# Altium PCB WunderBar_v102b _flip.PcbDoc (part 1 of 7)
Units mil, origin at the board's own origin, x right, y up, seen from the top; angles counter-clockwise.
Board outline 4556.01 x 1552 mil, 4 copper layers (Top, Route2, Route15, Bottom), stack 52.756 mil thick; 380 components, 258 nets, 1391 pads, 528 vias.
Unrouted connection lines stored in the file: 8.
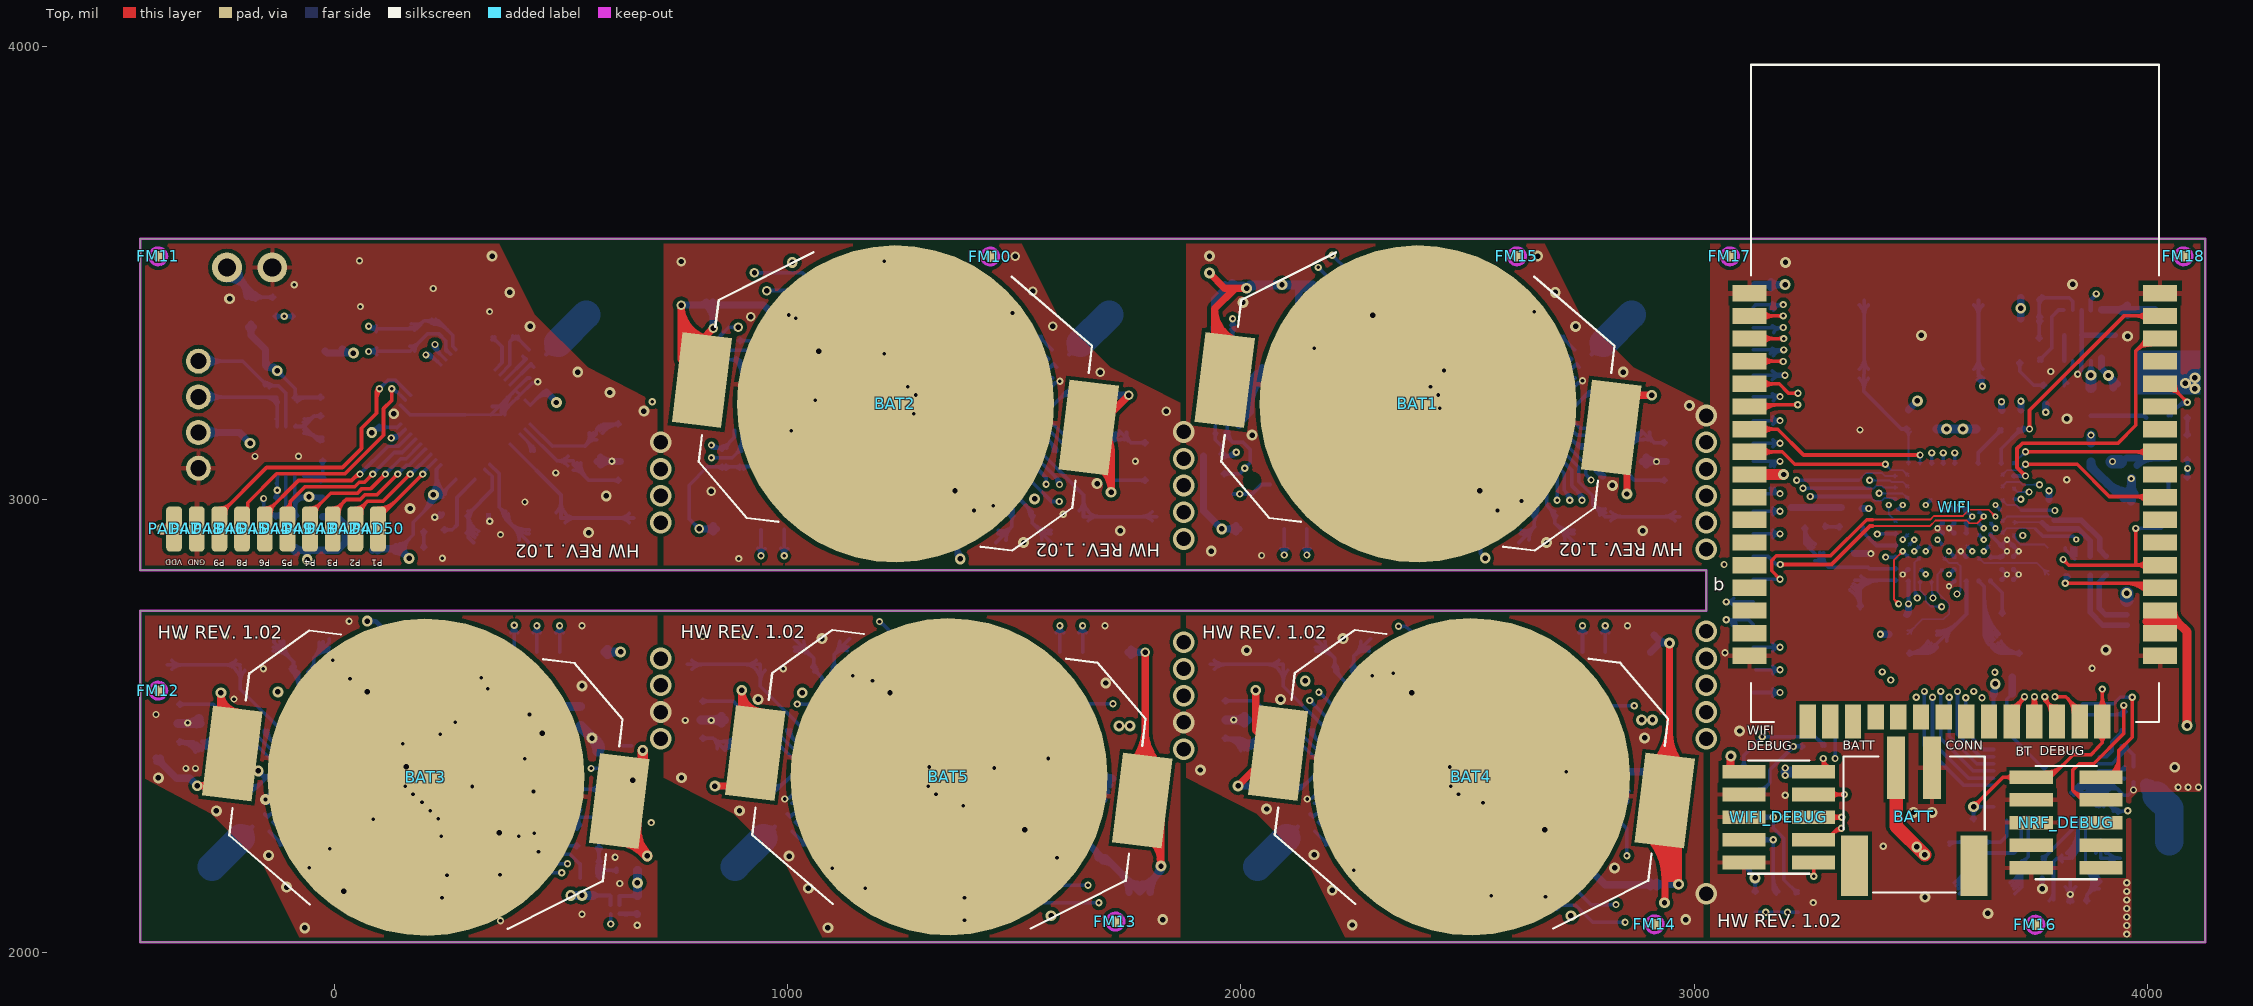
[diagram p0: Top view]
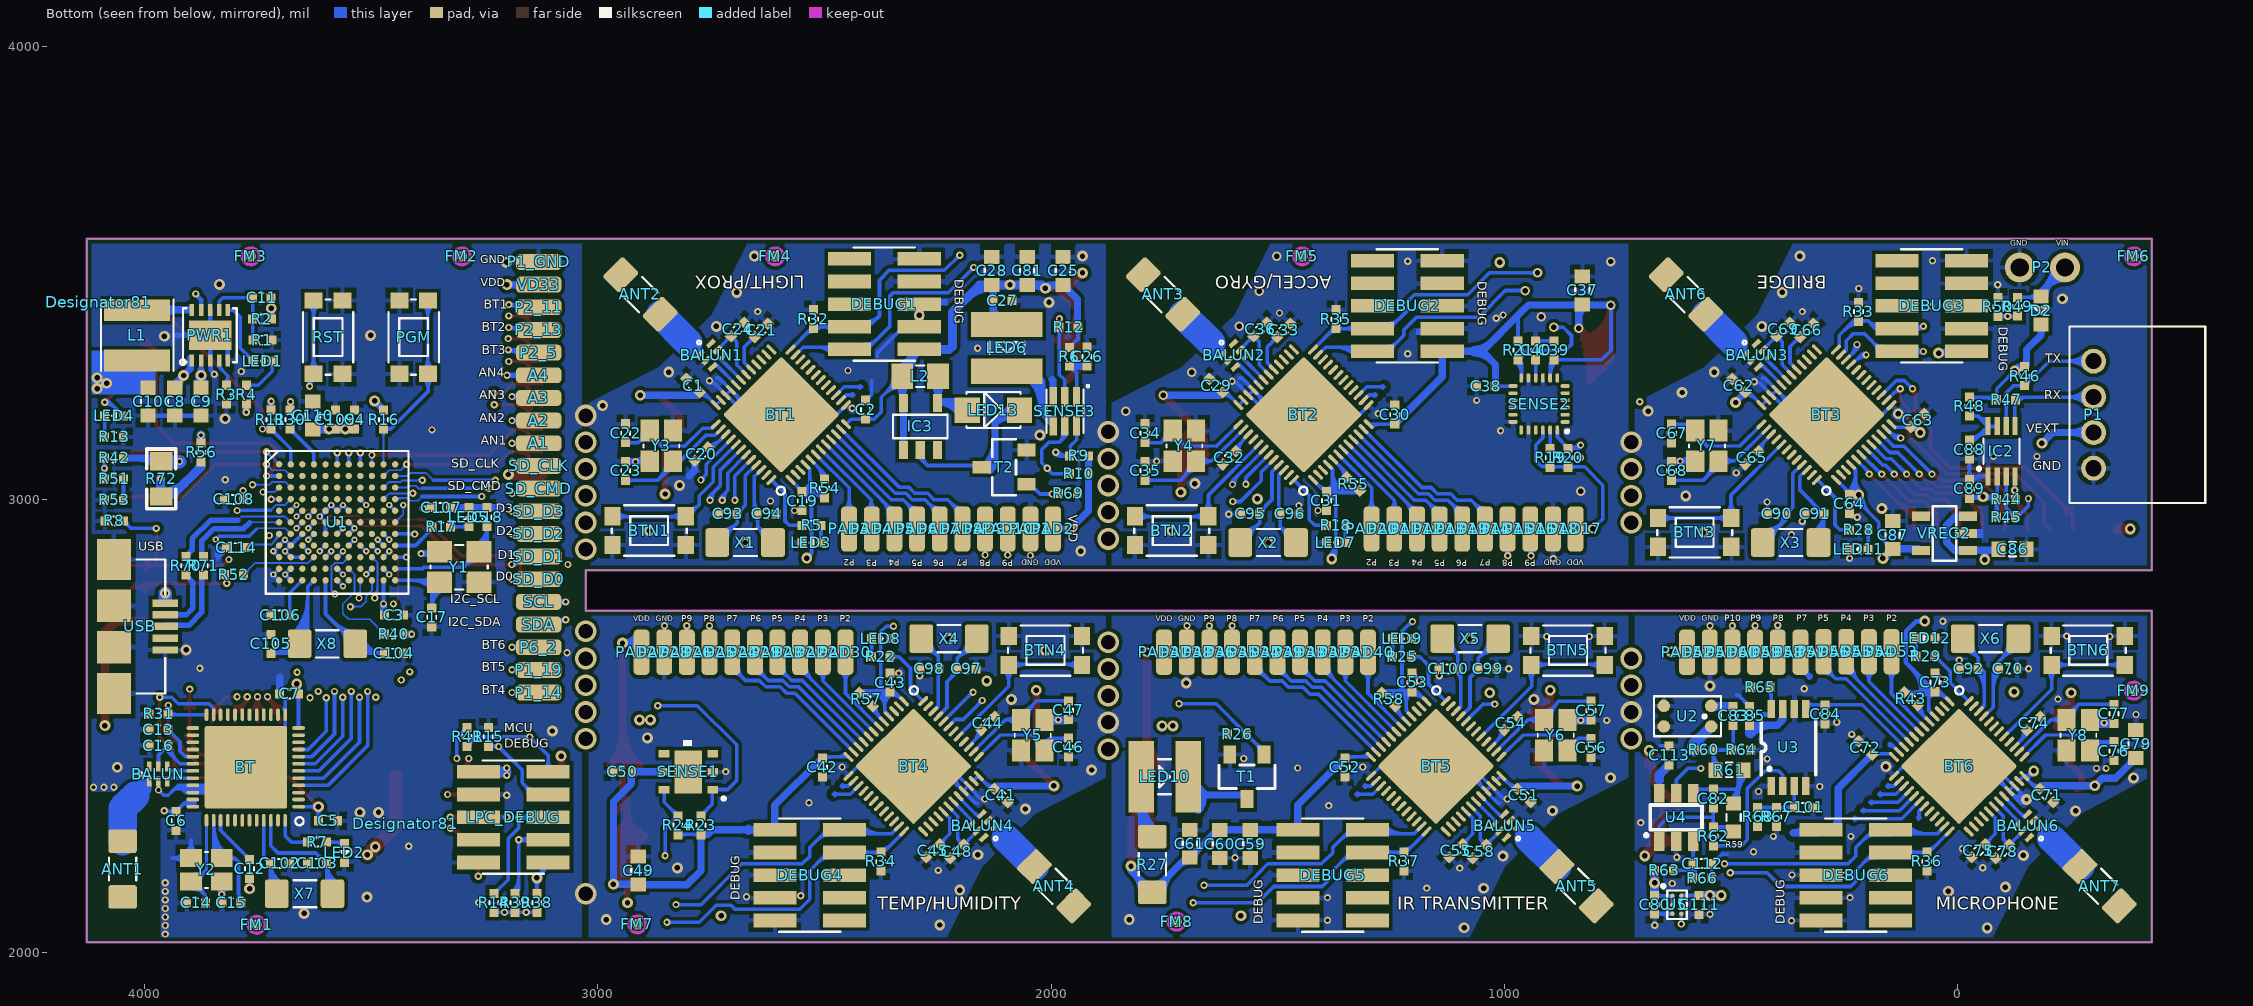
[diagram p1: Bottom view, seen from below]
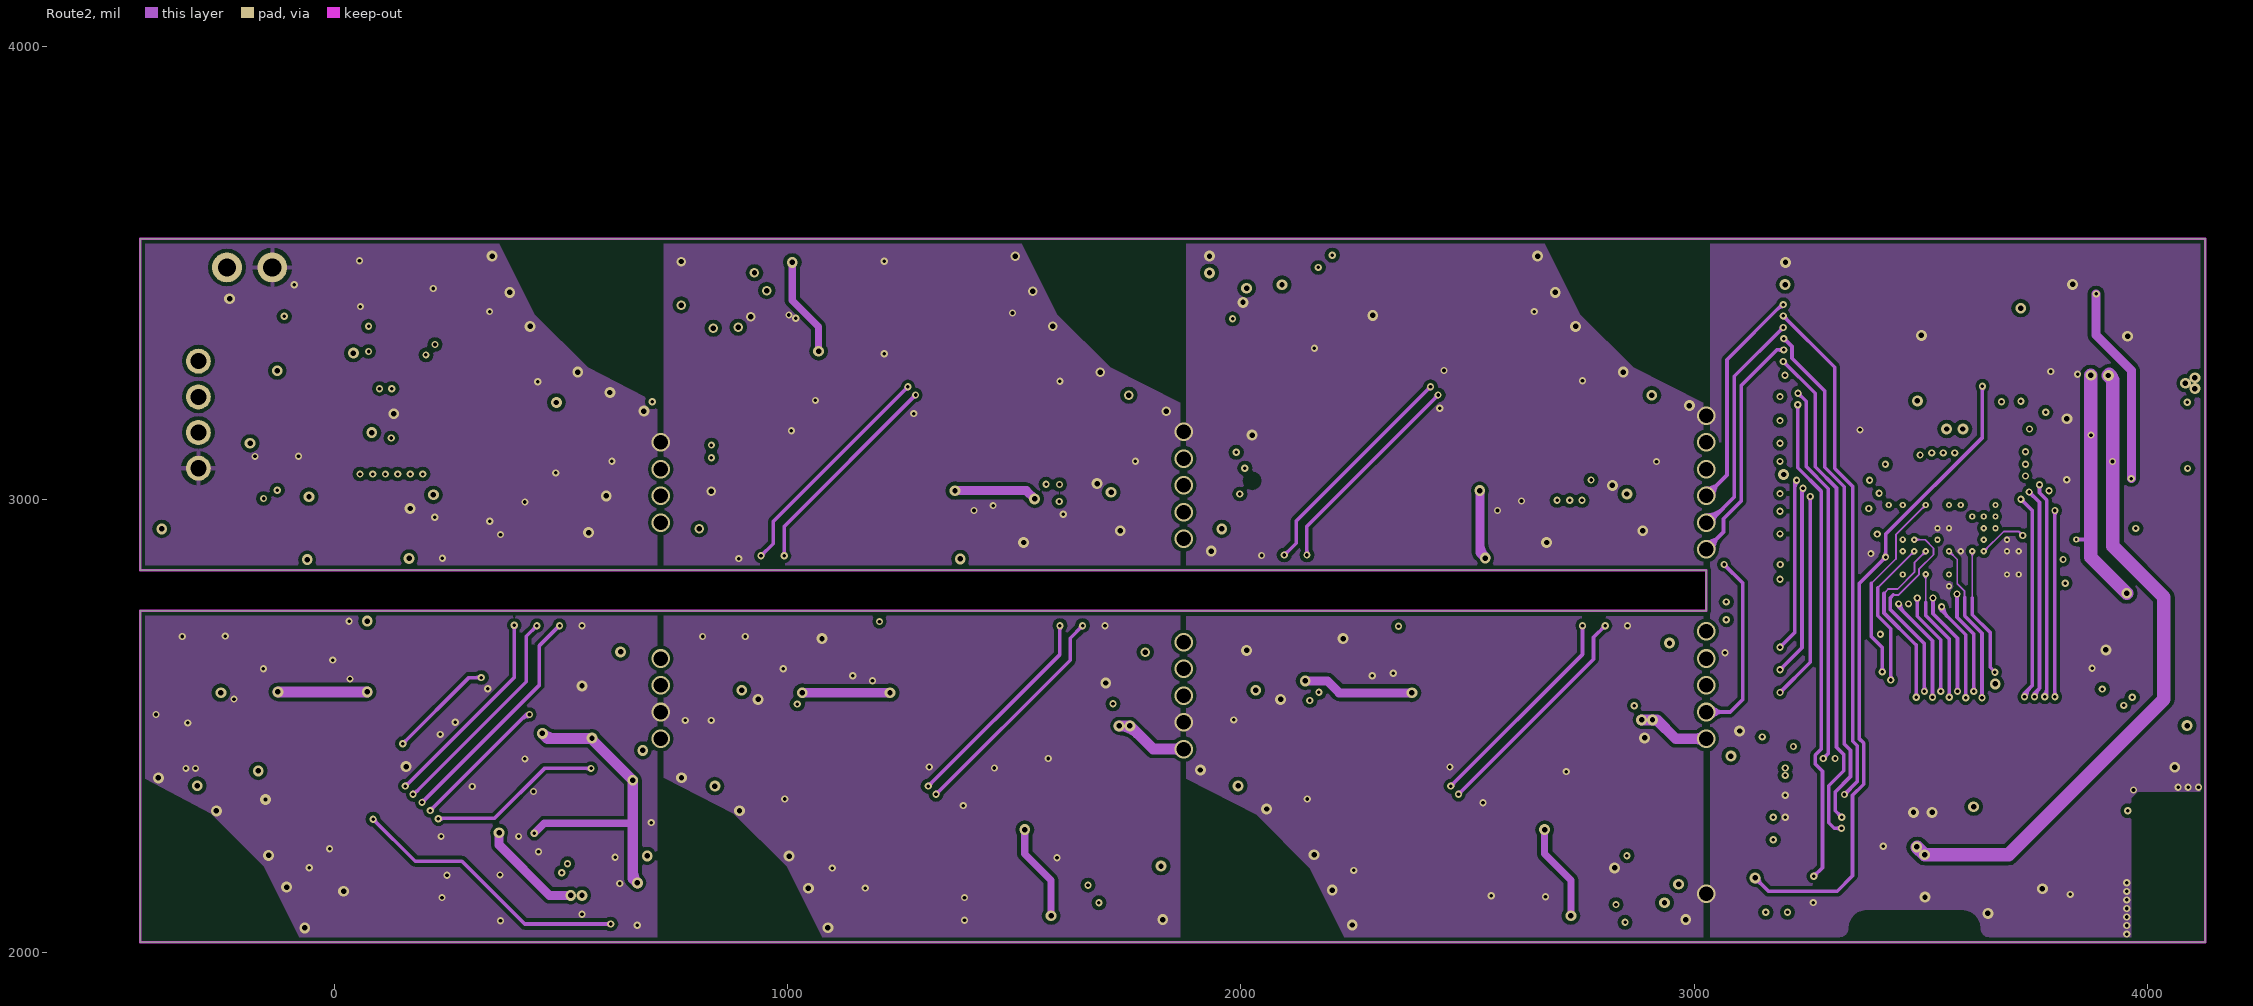
[diagram p2: Route2]
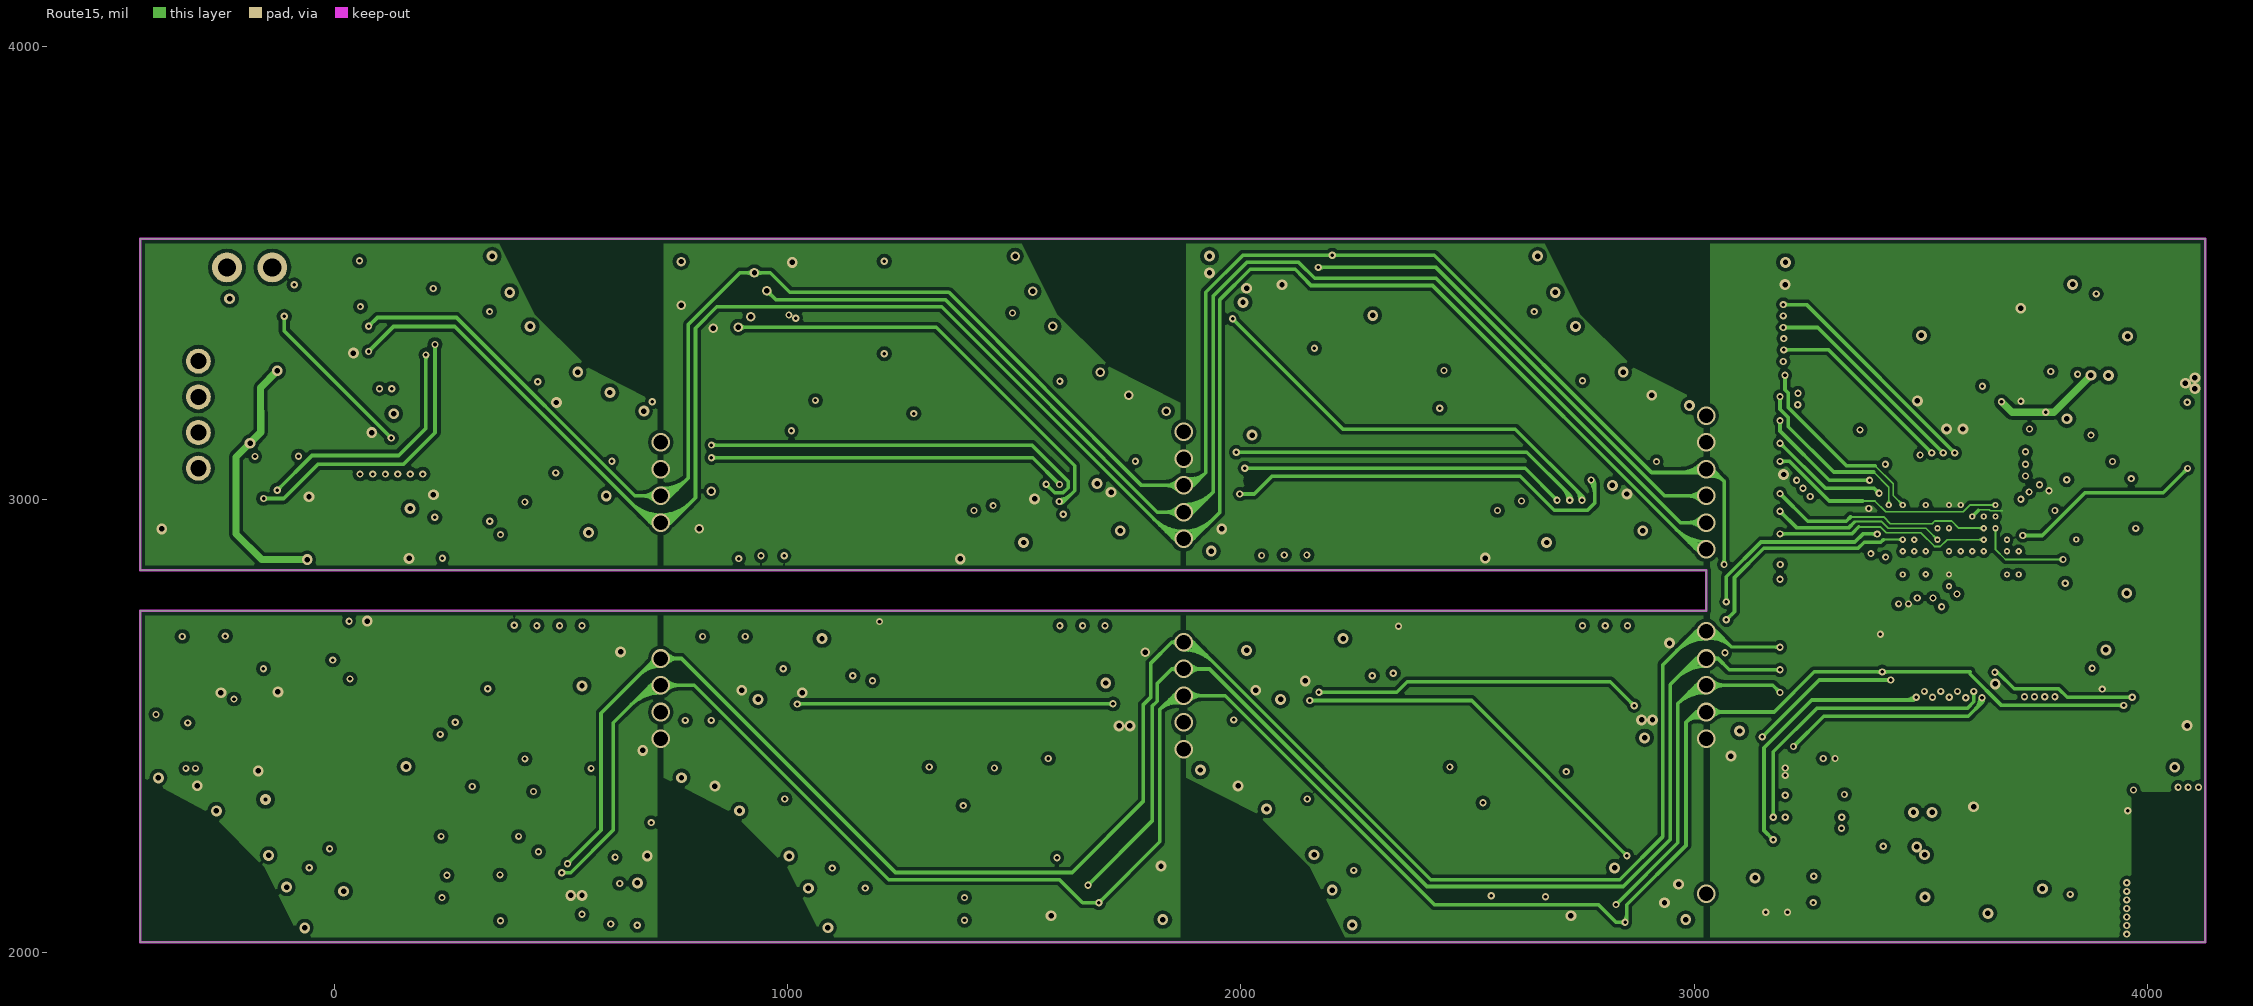
[diagram p3: Route15]

## Layer stack, top to bottom
Top Solder: solder mask 0.4, Solder Resist, Dk 3.5
Top: signal copper 1.378
Dielectric1: core 15.748, FR-4, Dk 4.8
Route2: signal copper 1.378
Dielectric2: prepreg 15.748, FR-4, Dk 4.8
Route15: signal copper 1.378
Dielectric3: core 15.748, FR-4, Dk 4.8
Bottom: signal copper 1.378
Bottom Solder: solder mask 0.4, Solder Resist, Dk 3.5

## Board outline
4127.52,2023.48 4127.52,3575.48 -428.47,3575.48 -428.49,3575.47 -428.49,2843.99 -428.48,2843.98 3026.52,2843.98 3026.52,2755.01 -428.48,2755.01 -428.48,2023.48

## Design rules (kind name [scope] priority, off if disabled: settings)
Clearance TrackPad_chipROOM [IsTrack vs IsPad] p1: gap=3.5
Clearance vIAPad_chipROOM [IsVia vs IsPad] p2: gap=4
Clearance mdViaVia [IsVia vs IsVia] p3: gap=5.91
Clearance mdPadVia [IsPad vs IsVia] p4: gap=5.91
Clearance mdPadPad [IsPad vs IsPad] p5: gap=5.91
Clearance mdWireVia [(InLayerClass('Signal Layers') AND IsTrack) vs IsVia] p6: gap=5.91
Clearance mdWirePad [(InLayerClass('Signal Layers') AND IsTrack) vs IsPad] p7: gap=5.91
Clearance mdWireWire [(InLayerClass('Signal Layers') AND IsTrack) vs (InLayerClass('Signal Layers') AND IsTrack)] p8: gap=5.91
Clearance polygon_rule [InPolygon] p9: gap=8
Clearance [All] p10: gap=3.5
HoleSize [All] p1: absolutevalues=TRUE maxlimit=100000 minlimit=6 maxpercent=80.000 minpercent=20.000
HoleToHoleClearance [All] p1: gap=8 allowstackedmicrovias=TRUE
MinimumSolderMaskSliver [All] p1: minsoldermaskwidth=0
MinimumSolderMaskSliver MinimumSolderMaskSliver_chip [TouchesRoom('MK24FN1M0VDC12')] p2 off: minsoldermaskwidth=3
PolygonConnect ThermalVias [IsVia] p1: connectstyle=Direct reliefconductorwidth=10 reliefentries=4 polygonreliefangle="90 Angle" airgapwidth=10
PolygonConnect [All] p2: connectstyle=Relief reliefconductorwidth=10 reliefentries=4 polygonreliefangle="90 Angle" airgapwidth=10
RoutingVias [All] p1: holewidth=28 width=50 viastyle="Through Hole" minholewidth=6 minwidth=14 maxholewidth=28 maxwidth=50
SilkToSilkClearance [All] p1 off: silktosilkclearance=10
SilkToSolderMaskClearance [IsPad] p1 off: minsilkscreentomaskgap=10 clearancetoexposedcopper=TRUE
SolderMaskExpansion [All] p1: expansion=4
Width [All] p1: maxlimit=100000 minlimit=4 preferedwidth=10 minimp=50.000000 maximp=50.000000 favimp=50.000000
24 further rules are at their usual default settings.

## Classes and differential pairs
component class BT_main: ANT1 BALUN BT C5 C6 C7 C12 C13 C14 C15 C16 C102 C103 LED2 R7 R31 X7 Y2
component class JTAG_SWD: LPC_DEBUG NRF_DEBUG WIFI_DEBUG
component class "module 1_main": ANT2 BALUN1 BAT1 BT1 BTN1 C1 C2 C19 C20 C21 C22 C23 C24 C25 C26 C27 C28 C81 C93 C94 DEBUG1 IC3 L2 LED3 LED6 LED13 PAD1 PAD2 PAD3 PAD4 PAD5 PAD6 PAD7 PAD8 PAD9 PAD10 R5 R6 R9 R10 R12 R32 R54 R69 SENSE3 T2 X1 Y3
component class "module 2_main": ANT3 BALUN2 BAT2 BT2 BTN2 C29 C30 C31 C32 C33 C34 C35 C36 C37 C38 C39 C40 C95 C96 DEBUG2 LED7 PAD11 PAD12 PAD13 PAD14 PAD15 PAD16 PAD17 PAD18 PAD19 PAD20 R18 R19 R20 R21 R35 R55 SENSE2 X2 Y4
component class "module 3_main": ANT6 BALUN3 BT3 BTN3 C62 C63 C64 C65 C66 C67 C68 C69 C86 C87 C88 C89 C90 C91 D2 DEBUG3 IC2 LED11 P1 P2 PAD41 PAD42 PAD43 PAD44 PAD45 PAD46 PAD47 PAD48 PAD49 PAD50 R28 R33 R44 R45 R46 R47 R48 R49 R50 VREG2 X3 Y7
component class "module 4_main": ANT4 BALUN4 BAT4 BT4 BTN4 C41 C42 C43 C44 C45 C46 C47 C48 C49 C50 C97 C98 DEBUG4 LED8 PAD21 PAD22 PAD23 PAD24 PAD25 PAD26 PAD27 PAD28 PAD29 PAD30 R22 R23 R24 R34 R57 SENSE1 X4 Y5
component class "module 5_main": ANT5 BALUN5 BAT5 BT5 BTN5 C51 C52 C53 C54 C55 C56 C57 C58 C59 C60 C61 C99 C100 DEBUG5 LED9 LED10 PAD31 PAD32 PAD33 PAD34 PAD35 PAD36 PAD37 PAD38 PAD39 PAD40 R25 R26 R27 R37 R58 T1 X5 Y6
component class "module 6_main": ANT7 BALUN6 BAT3 BT6 BTN6 C70 C71 C72 C73 C74 C75 C76 C77 C78 C79 C80 C82 C83 C84 C85 C92 C101 C111 C112 C113 DEBUG6 LED12 PAD51 PAD52 PAD53 PAD54 PAD55 PAD56 PAD57 PAD58 PAD59 PAD60 R29 R36 R43 R59 R60 R61 R62 R63 R64 R65 R66 R67 R68 U2 U3 U4 U5 X6 Y8
component class Power_main: BATT C8 C9 C10 C11 L1 LED1 PWR1 R1 R2 R3 R4 R42 R51 R53 R56 R72
component class USB: A1 A2 A3 A4 P1_14 P1_19 P1_GND P2_5 P2_11 P2_13 P6_2 R70 R71 SCL SD_CLK SD_CMD SD_D0 SD_D1 SD_D2 SD_D3 SDA USB VD33
component class WiFi: LED4 R8 R11 R13 WIFI
component class WunderBar_v104: C3 C4 C17 C18 C104 C105 C106 C107 C108 C109 C110 C114 FM1 FM2 FM3 FM4 FM5 FM6 FM7 FM8 FM9 FM10 FM11 FM12 FM13 FM14 FM15 FM16 FM17 FM18 LED5 PGM R14 R15 R16 R17 R30 R38 R39 R40 R41 R52 RST U1 X8 Y1

## Components (designator, comment, footprint, x,y, rotation, side; value= is the part's Value field where it differs from the comment)
A1 "P1" PCB_MEDIUM_RECT_PAD 3130.52,3124.48 r0 bottom
A2 "P1" PCB_MEDIUM_RECT_PAD 3130.52,3174.48 r0 bottom
A3 "P1" PCB_MEDIUM_RECT_PAD 3130.52,3224.48 r0 bottom
A4 "P1" PCB_MEDIUM_RECT_PAD 3130.52,3274.48 r0 bottom
ANT1 "2450AT18A100E" 1206_MINIMELF_COMBO 4048.52,2185.48 r270 bottom
ANT2 "2450AT18A100E" 1206_MINIMELF_COMBO 2905.52,3452.48 r45 bottom
ANT3 "2450AT18A100E" 1206_MINIMELF_COMBO 1752.52,3452.48 r45 bottom
ANT4 "2450AT18A100E" 1206_MINIMELF_COMBO 1993.52,2147.48 r225 bottom
ANT5 "2450AT18A100E" 1206_MINIMELF_COMBO 840.52,2147.48 r225 bottom
ANT6 "2450AT18A100E" 1206_MINIMELF_COMBO 598.52,3452.48 r45 bottom
ANT7 "2450AT18A100E" 1206_MINIMELF_COMBO -313.48,2147.48 r225 bottom
BALUN "2450BM14A0002T" 6-PIN-0603 3969.52,2394.48 r90 bottom
BALUN1 "2450BM14A0002T" 6-PIN-0603 2748.52,3318.48 r135 bottom
BALUN2 "2450BM14A0002T" 6-PIN-0603 1595.52,3318.48 r135 bottom
BALUN3 "2450BM14A0002T" 6-PIN-0603 441.52,3318.48 r135 bottom
BALUN4 "2450BM14A0002T" 6-PIN-0603 2150.52,2280.48 r315 bottom
BALUN5 "2450BM14A0002T" 6-PIN-0603 997.52,2280.48 r315 bottom
BALUN6 "2450BM14A0002T" 6-PIN-0603 -156.48,2280.48 r315 bottom
BAT1 "BATTERYBK-912" BK-912 2390.52,3211.48 r173 top
BAT2 "BATTERYBK-912" BK-912 1237.52,3211.48 r173 top
BAT3 "BATTERYBK-912" BK-912 201.52,2387.48 r353 top
BAT4 "BATTERYBK-912" BK-912 2508.52,2388.48 r353 top
BAT5 "BATTERYBK-912" BK-912 1355.52,2388.48 r353 top
BATT "HDR-1X2JST-PH-H" S2B-PH-SM4-TB 3485.52,2252.35 r180 top
BT "NRF51822QFN48" QFN48_EP 3776.52,2409.48 r0 bottom
BT1 "NRF51822QFN48" QFN48_EP 2595.52,3187.48 r45 bottom
BT2 "NRF51822QFN48" QFN48_EP 1442.52,3187.48 r45 bottom
BT3 "NRF51822QFN48" QFN48_EP 288.52,3187.48 r45 bottom
BT4 "NRF51822QFN48" QFN48_EP 2303.52,2411.48 r225 bottom
BT5 "NRF51822QFN48" QFN48_EP 1150.52,2411.48 r225 bottom
BT6 "NRF51822QFN48" QFN48_EP -3.48,2411.48 r225 bottom
BTN1 "Tact Sw 4.6x2.8" CK-KMR2 2886.52,2931.48 r90 bottom
BTN2 "Tact Sw 4.6x2.8" CK-KMR2 1733.52,2931.48 r90 bottom
BTN3 "Tact Sw 4.6x2.8" CK-KMR2 579.52,2927.48 r90 bottom
BTN4 "Tact Sw 4.6x2.8" CK-KMR2 2012.52,2667.48 r270 bottom
BTN5 "Tact Sw 4.6x2.8" CK-KMR2 859.52,2667.48 r270 bottom
BTN6 "Tact Sw 4.6x2.8" CK-KMR2 -288.5,2667.5 r270 bottom
C1 "1nF" 0402 2789.52,3251.48 r45 bottom
C2 "100nF" 0402 2409.13,3198.52 r90 bottom
C3 "100nF" 0402 3450.24,2745.48 r180 bottom
C4 "100nF" 0402 3536.6,3176.48 r90 bottom
C5 "100nF" 0402 3595.52,2291.48 r180 bottom
C6 "100nF" 0402 3930.52,2291.48 r270 bottom
C7 "1nF" 0402 3681.05,2571.48 r0 bottom
C8 "10µF" 0603 3933.48,3216.48 r270 bottom
C9 "10µF" 0603 3875.52,3216.48 r270 bottom
C10 "10µF" 0603 3992.48,3216.48 r270 bottom
C11 "10pF" 0402 3741.52,3445.48 r0 bottom
C12 "100nF" 0402 3768.52,2185.48 r270 bottom
C13 "47nF" 0402 3969.52,2492.48 r0 bottom
C14 "10pF" 0402 3886.52,2110.48 r0 bottom
C15 "10pF" 0402 3808.52,2110.48 r0 bottom
C16 "1nF" 0402 3969.52,2457.48 r0 bottom
C17 "12pF" 0402 3366.52,2740.48 r270 bottom
C18 "12pF" 0402 3244.48,2961.52 r90 bottom
C19 "100nF" 0402 2549.19,2997.04 r270 bottom
C20 "100nF" 0402 2771.52,3100.48 r315 bottom
C21 "47nF" 0402 2639.52,3373.48 r135 bottom
C22 "10pF" 0402 2938.52,3146.48 r90 bottom
C23 "10pF" 0402 2938.52,3063.48 r90 bottom
C24 "1nF" 0402 2691.52,3375.48 r135 bottom
C25 "10µF" 0603 1973.52,3504.48 r90 bottom
C26 "1uF" 0402 1920.52,3315.48 r90 bottom
C27 "1uF" 0402 2107.52,3439.48 r180 bottom
C28 "10µF" 0603 2130.52,3504.48 r90 bottom
C29 "1nF" 0402 1635.52,3251.48 r45 bottom
C30 "100nF" 0402 1241.52,3187.48 r90 bottom
C31 "100nF" 0402 1392.19,2997.52 r270 bottom
C32 "100nF" 0402 1606.52,3092.48 r315 bottom
C33 "47nF" 0402 1486.52,3373.48 r135 bottom
C34 "10pF" 0402 1792.52,3146.48 r90 bottom
C35 "10pF" 0402 1792.52,3063.48 r90 bottom
C36 "1nF" 0402 1538.52,3375.48 r135 bottom
C37 "10µF" 0603 827.52,3461.48 r90 bottom
C38 "100nF" 0402 1040.52,3250.48 r0 bottom
C39 "10nF" 0402 890.52,3329.48 r90 bottom
C40 "100nF" 0402 930.52,3329.48 r90 bottom
C41 "1nF" 0402 2110.52,2347.48 r225 bottom
C42 "100nF" 0402 2504.52,2409.48 r270 bottom
C43 "100nF" 0402 2354.84,2596.28 r90 bottom
C44 "100nF" 0402 2139.52,2506.48 r135 bottom
C45 "47nF" 0402 2260.52,2225.48 r315 bottom
C46 "10pF" 0402 1961.52,2453.48 r270 bottom
C47 "10pF" 0402 1961.52,2535.48 r270 bottom
C48 "1nF" 0402 2207.52,2223.48 r315 bottom
C49 "10µF" 0603 2910.52,2181.48 r90 bottom
C50 "100nF" 0402 2945.52,2399.48 r0 bottom
C51 "1nF" 0402 956.52,2347.48 r225 bottom
C52 "100nF" 0402 1351.52,2409.48 r270 bottom
C53 "100nF" 0402 1203.14,2596.43 r90 bottom
C54 "100nF" 0402 985.52,2506.48 r135 bottom
C55 "47nF" 0402 1106.52,2225.48 r315 bottom
C56 "10pF" 0402 808.52,2452.48 r270 bottom
C57 "10pF" 0402 808.52,2534.48 r270 bottom
C58 "1nF" 0402 1054.52,2223.48 r315 bottom
C59 "10µF" 0603 1560.52,2240.48 r270 bottom
C60 "10µF" 0603 1627.52,2240.48 r270 bottom
C61 "10µF" 0603 1693.52,2240.48 r90 bottom
C62 "1nF" 0402 482.52,3251.48 r45 bottom
C63 "100nF" 0402 88,3174.96 r135 bottom
C64 "100nF" 0402 238.19,2991 r270 bottom
C65 "100nF" 0402 453.52,3092.48 r315 bottom
C66 "47nF" 0402 332.52,3373.48 r135 bottom
C67 "10pF" 0402 630.52,3146.48 r270 bottom
C68 "10pF" 0402 630.52,3063.48 r90 bottom
C69 "1nF" 0402 384.52,3375.48 r135 bottom
C70 "12pF" 0402 -111.74,2626.49 r0 bottom
C71 "1nF" 0402 -196.48,2347.48 r225 bottom
C72 "100nF" 0402 202.98,2452.33 r45 bottom
C73 "100nF" 0402 49.33,2596.87 r90 bottom
C74 "100nF" 0402 -168.1,2506.1 r135 bottom
C75 "47nF" 0402 -46.48,2225.48 r315 bottom
C76 "10pF" 0402 -345.48,2445.48 r270 bottom
C77 "10pF" 0402 -345.48,2527.48 r270 bottom
C78 "1nF" 0402 -99.48,2223.48 r315 bottom
C79 "10µF" 0603 -393.68,2460.32 r90 bottom
C80 "100nF" 0402 668,2106 r90 bottom
C81 "10µF" 0603 2052.52,3504.48 r90 bottom
C82 "8pF" 0402 538.7,2340.75 r270 bottom
C83 "1uF" 0402 494.72,2522.7 r90 bottom
C84 "100nF" 0402 291.92,2526.2 r90 bottom
C85 "100nF" 0402 458.6,2523.03 r270 bottom
C86 "10µF" 0603 -121.48,2890.48 r180 bottom
C87 "10µF" 0603 142.52,2921.48 r90 bottom
C88 "100nF" 0402 -26.48,3110.48 r270 bottom
C89 "100nF" 0402 -26.48,3023.48 r90 bottom
C90 "12pF" 0402 398.52,2968.48 r180 bottom
C91 "12pF" 0402 315.52,2968.48 r180 bottom
C92 "12pF" 0402 -24.72,2626.49 r180 bottom
C93 "12pF" 0402 2713.52,2968.48 r180 bottom
C94 "12pF" 0402 2627.52,2968.48 r0 bottom
C95 "12pF" 0402 1560.52,2968.48 r180 bottom
C96 "12pF" 0402 1473.52,2968.48 r0 bottom
C97 "12pF" 0402 2186.52,2626.48 r0 bottom
C98 "12pF" 0402 2268.52,2626.48 r180 bottom
C99 "12pF" 0402 1036.52,2626.48 r0 bottom
C100 "12pF" 0402 1123.52,2626.48 r180 bottom
C101 "100nF" 0402 338.8,2321.05 r0 bottom
C102 "12pF" 0402 3701.52,2197.48 r0 bottom
C103 "12pF" 0402 3619.52,2197.48 r180 bottom
C104 "12pF" 0402 3450.24,2661.17 r180 bottom
C105 "12pF" 0402 3721.3,2681.83 r90 bottom
C106 "100nF" 0402 3700.3,2745.48 r0 bottom
C107 "100nF" 0402 3345.85,2982.52 r180 bottom
C108 "100nF" 0402 3802.89,3000.52 r0 bottom
C109 "100nF" 0402 3579.25,3176.48 r90 bottom
C110 "2.2uF" 0603 3628.9,3185.48 r90 bottom
C111 "1uF" 0402 570,2106 r270 bottom
C112 "1uF" 0402 562.83,2197 r0 bottom
C113 "100nF" 0402 636.04,2435.96 r270 bottom
C114 "100nF" 0402 3798.22,2894 r180 bottom
D2 "SD0603S040S0R2" 0603_POLAR -184.48,3417.48 r270 bottom
DEBUG1 "DEBUG" 2X05_SMT 2367.52,3431.48 r90 bottom
DEBUG2 "DEBUG" 2X05_SMT 1213.52,3427.48 r90 bottom
DEBUG3 "DEBUG" 2X05_SMT 56.52,3427.48 r90 bottom
DEBUG4 "DEBUG" 2X05_SMT 2532.52,2171.48 r270 bottom
DEBUG5 "DEBUG" 2X05_SMT 1378.52,2171.48 r270 bottom
DEBUG6 "DEBUG" 2X05_SMT 224.51,2171.49 r270 bottom
Designator81 "Comment" RELAYR-LOGO 4101.28,3437.1 r180 bottom
Designator81 "Comment" WunderBar_LOGO 3423.76,2286.37 r90 bottom
FM1 "FIDUCIAL MARK" "FIDUCIAL MARK 0.6MM" 3753,2062 r90 bottom
FM2 "FIDUCIAL MARK" "FIDUCIAL MARK 0.6MM" 3300,3537 r90 bottom
FM3 "FIDUCIAL MARK" "FIDUCIAL MARK 0.6MM" 3766,3537 r90 bottom
FM4 "FIDUCIAL MARK" "FIDUCIAL MARK 0.6MM" 2609,3537 r90 bottom
FM5 "FIDUCIAL MARK" "FIDUCIAL MARK 0.6MM" 1446,3537 r90 bottom
FM6 "FIDUCIAL MARK" "FIDUCIAL MARK 0.6MM" -389.04,3537 r90 bottom
FM7 "FIDUCIAL MARK" "FIDUCIAL MARK 0.6MM" 2913,2063 r90 bottom
FM8 "FIDUCIAL MARK" "FIDUCIAL MARK 0.6MM" 1723,2069 r90 bottom
FM9 "FIDUCIAL MARK" "FIDUCIAL MARK 0.6MM" -389.04,2578.55 r90 bottom
FM10 "FIDUCIAL MARK" "FIDUCIAL MARK 0.6MM" 1446.48,3536.52 r270 top
FM11 "FIDUCIAL MARK" "FIDUCIAL MARK 0.6MM" -389.04,3537 r270 top
FM12 "FIDUCIAL MARK" "FIDUCIAL MARK 0.6MM" -389.04,2578.55 r270 top
FM13 "FIDUCIAL MARK" "FIDUCIAL MARK 0.6MM" 1723,2069 r270 top
FM14 "FIDUCIAL MARK" "FIDUCIAL MARK 0.6MM" 2913,2063 r270 top
FM15 "FIDUCIAL MARK" "FIDUCIAL MARK 0.6MM" 2609,3537 r270 top
FM16 "FIDUCIAL MARK" "FIDUCIAL MARK 0.6MM" 3753,2062 r270 top
FM17 "FIDUCIAL MARK" "FIDUCIAL MARK 0.6MM" 3079,3537 r270 top
FM18 "FIDUCIAL MARK" "FIDUCIAL MARK 0.6MM" 4080,3537 r270 top
IC2 "PCA9306" US8 -97.48,3106.48 r90 bottom
IC3 "ZXLD383" SOT-23-5 2288.52,3161.48 r180 bottom
L1 "10uH" INDUCTOR_40X40 4016.52,3363.12 r270 bottom
L2 "47uH" 0805_MICROMELF_COMBO 2288.52,3272.48 r0 bottom
LED1 "YELLOW" 0402_POLAR 3739.29,3305.92 r0 bottom
LED2 "YELLOW" 0402_POLAR 3559.04,2221 r270 bottom
LED3 "YELLOW" 0402_POLAR 2528.52,2905.48 r0 bottom
LED4 "YELLOW" 0402_POLAR 4067.35,3184.93 r0 bottom
LED5 "YELLOW" 0402_POLAR 3284.52,2961.52 r90 bottom
LED6 "SFH4441" MIDLED 2097.52,3335.48 r270 bottom
LED7 "YELLOW" 0402_POLAR 1371.52,2905.48 r0 bottom
LED8 "YELLOW" 0402_POLAR 2375.52,2693.48 r180 bottom
LED9 "YELLOW" 0402_POLAR 1225.52,2693.48 r180 bottom
LED10 "SFH4441" MIDLED 1749.52,2388.48 r180 bottom
LED11 "YELLOW" 0402_POLAR 217.52,2890.48 r0 bottom
LED12 "YELLOW" 0402_POLAR 70.33,2694.49 r180 bottom
LED13 "White" LED3X2 2127.52,3197.48 r180 bottom
LPC_DEBUG "DEBUG" 2X05_SMT 3186.52,2299.48 r270 bottom